# Altium PCB 1SL1 Xilinx Spartan-11E PQ208.PcbDoc (part 3 of 4)
Units mil, origin at the board's own origin, x right, y up, seen from the top; angles counter-clockwise.
Board outline 7086.61 x 1988.19 mil, 2 copper layers (Top Layer, Bottom Layer), stack 29.698 mil thick; 115 components, 126 nets, 642 pads, 225 vias.
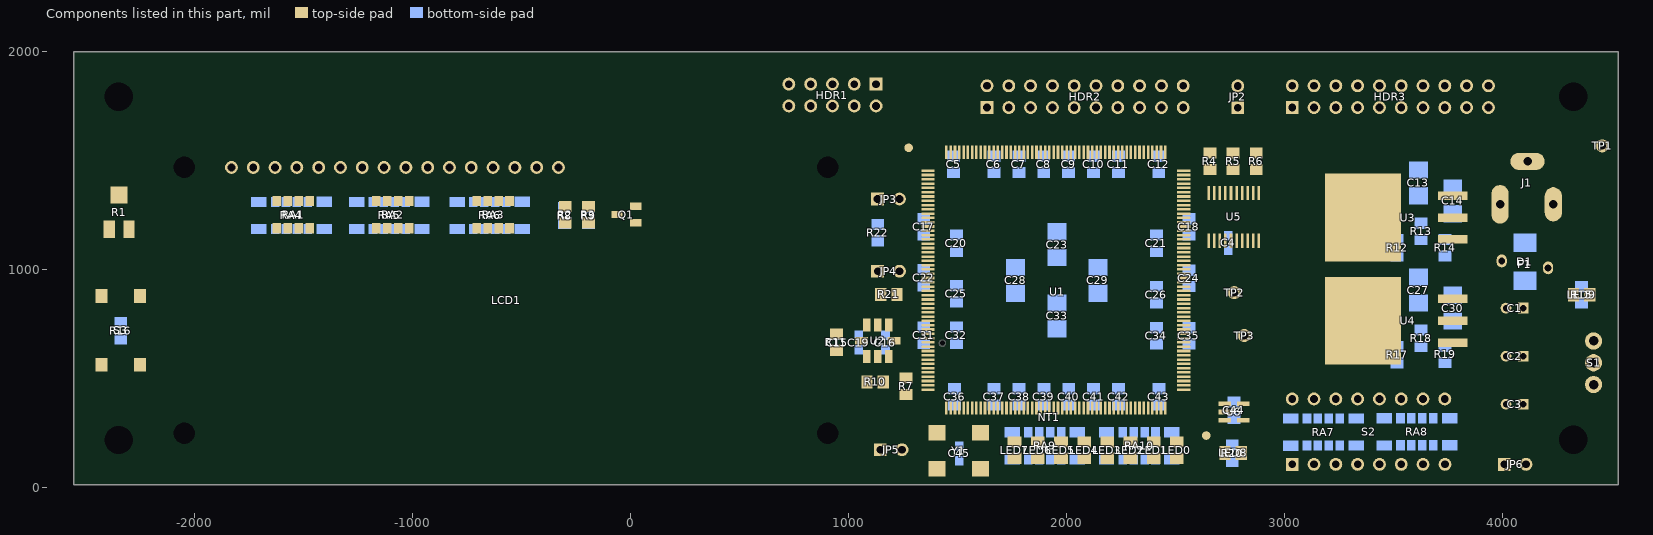
[diagram p3: the components of this part, seen from the top]

## Silkscreen, mask and mechanical layers (free items; w line width, h text height) (continued)
19_FABRICATION_NOTES:
  text "N" at 5200,3559.57 h164.64
  text "O" at 5291.94,3559.57 h164.64
  text "T" at 5383.87,3559.57 h164.64
  text "E" at 5454.59,3559.57 h164.64
  text "S" at 5525.31,3559.57 h164.64
  text "U" at 5624.32,3559.57 h164.64
  text "N" at 5716.26,3559.57 h164.64
  text "L" at 5808.19,3559.57 h164.64
  text "E" at 5864.77,3559.57 h164.64
  text "S" at 5935.49,3559.57 h164.64
  text "S" at 5999.14,3559.57 h164.64
  text "O" at 6098.15,3559.57 h164.64
  text "T" at 6190.08,3559.57 h164.64
  text "H" at 6260.8,3559.57 h164.64
  text "E" at 6345.67,3559.57 h164.64
  text "R" at 6416.39,3559.57 h164.64
  text "W" at 6494.18,3559.57 h164.64
  text "I" at 6621.48,3559.57 h164.64
  text "S" at 6656.84,3559.57 h164.64
  text "E" at 6720.49,3559.57 h164.64
  text "S" at 6826.57,3559.57 h164.64
  text "P" at 6890.22,3559.57 h164.64
  text "E" at 6960.94,3559.57 h164.64
  text "C" at 7031.66,3559.57 h164.64
  text "I" at 7109.45,3559.57 h164.64
  text "F" at 7144.81,3559.57 h164.64
  text "I" at 7208.46,3559.57 h164.64
  text "E" at 7243.82,3559.57 h164.64
  text "D" at 7314.54,3559.57 h164.64
  text ":" at 7399.4,3559.57 h164.64
  text "1" at 5270.54,3368.63 h164.64
  text "A" at 5460.99,3354.49 h164.64
  text "L" at 5545.86,3354.49 h164.64
  text "L" at 5602.43,3354.49 h164.64
  text "H" at 5694.37,3354.49 h164.64
  text "O" at 5779.23,3354.49 h164.64
  text "L" at 5871.17,3354.49 h164.64
  text "E" at 5927.75,3354.49 h164.64
  text "S" at 5998.47,3354.49 h164.64
  text "F" at 6097.47,3354.49 h164.64
  text "I" at 6161.12,3354.49 h164.64
  text "N" at 6196.48,3354.49 h164.64
  text "I" at 6288.42,3354.49 h164.64
  text "S" at 6323.78,3354.49 h164.64
  text "H" at 6387.43,3354.49 h164.64
  text "E" at 6472.29,3354.49 h164.64
  text "D" at 6543.01,3354.49 h164.64
  text "S" at 6663.24,3354.49 h164.64
  text "I" at 6726.88,3354.49 h164.64
  text "Z" at 6762.24,3354.49 h164.64
  text "E" at 6825.89,3354.49 h164.64
  text "A" at 6931.97,3354.49 h164.64
  text "S" at 7016.84,3354.49 h164.64
  text "S" at 7115.85,3354.49 h164.64
  text "H" at 7179.49,3354.49 h164.64
  text "O" at 7264.36,3354.49 h164.64
  text "W" at 7356.3,3354.49 h164.64
  text "N" at 7483.59,3354.49 h164.64
  text "." at 7575.53,3354.49 h164.64
  text "M" at 5460.99,3163.54 h164.64
  text "A" at 5581.22,3163.54 h164.64
  text "T" at 5666.08,3163.54 h164.64
  text "E" at 5736.8,3163.54 h164.64
  text "R" at 5807.52,3163.54 h164.64
  text "I" at 5885.31,3163.54 h164.64
  text "A" at 5920.67,3163.54 h164.64
  text "L" at 6005.54,3163.54 h164.64
  text ":" at 6062.11,3163.54 h164.64
  text "0" at 6132.83,3163.54 h164.64
  text "." at 6203.55,3163.54 h164.64
  text "0" at 6238.91,3163.54 h164.64
  text "6" at 6309.63,3163.54 h164.64
  text "2" at 6380.36,3163.54 h164.64
  text "I" at 6486.44,3163.54 h164.64
  text "N" at 6521.8,3163.54 h164.64
  text "F" at 6649.09,3163.54 h164.64
  text "I" at 6712.74,3163.54 h164.64
  text "B" at 6748.1,3163.54 h164.64
  text "E" at 6825.89,3163.54 h164.64
  text "R" at 6896.61,3163.54 h164.64
  text "G" at 6974.41,3163.54 h164.64
  text "L" at 7066.34,3163.54 h164.64
  text "A" at 7122.92,3163.54 h164.64
  text "S" at 7207.78,3163.54 h164.64
  text "S" at 7271.43,3163.54 h164.64
  text "R" at 7370.44,3163.54 h164.64
  text "E" at 7448.23,3163.54 h164.64
  text "I" at 7518.95,3163.54 h164.64
  text "N" at 7554.31,3163.54 h164.64
  text "F" at 7646.25,3163.54 h164.64
  text "O" at 7709.9,3163.54 h164.64
  text "R" at 7801.83,3163.54 h164.64
  text "C" at 7879.63,3163.54 h164.64
  text "E" at 7957.42,3163.54 h164.64
  text "D" at 8028.14,3163.54 h164.64
  text "E" at 8148.36,3163.54 h164.64
  text "P" at 8219.08,3163.54 h164.64
  text "O" at 8289.8,3163.54 h164.64
  text "X" at 8381.74,3163.54 h164.64
  text "Y" at 8452.46,3163.54 h164.64
  text "," at 8523.18,3163.54 h164.64
  text "2" at 5270.54,3156.47 h164.64
  text "N" at 5460.99,2979.67 h164.64
  text "E" at 5552.93,2979.67 h164.64
  text "M" at 5623.65,2979.67 h164.64
  text "A" at 5743.87,2979.67 h164.64
  text "G" at 5864.1,2979.67 h164.64
  text "R" at 5956.03,2979.67 h164.64
  text "A" at 6033.83,2979.67 h164.64
  text "D" at 6118.69,2979.67 h164.64
  text "E" at 6203.55,2979.67 h164.64
  text "F" at 6309.63,2979.67 h164.64
  text "R" at 6373.28,2979.67 h164.64
  text "-" at 6451.08,2979.67 h164.64
  text "4" at 6493.51,2979.67 h164.64
  text "," at 6564.23,2979.67 h164.64
  text "N" at 6634.95,2979.67 h164.64
  text "A" at 6726.88,2979.67 h164.64
  text "T" at 6811.75,2979.67 h164.64
  text "U" at 6882.47,2979.67 h164.64
  text "R" at 6974.41,2979.67 h164.64
  text "A" at 7052.2,2979.67 h164.64
  text "L" at 7137.06,2979.67 h164.64
  text "C" at 7229,2979.67 h164.64
  text "O" at 7306.79,2979.67 h164.64
  text "L" at 7398.73,2979.67 h164.64
  text "O" at 7455.3,2979.67 h164.64
  text "R" at 7547.24,2979.67 h164.64
  text "W" at 7660.39,2979.67 h164.64
  text "I" at 7787.69,2979.67 h164.64
  text "T" at 7823.05,2979.67 h164.64
  text "H" at 7893.77,2979.67 h164.64
  text "O" at 7978.63,2979.67 h164.64
  text "U" at 8070.57,2979.67 h164.64
  text "T" at 8162.51,2979.67 h164.64
  text "O" at 8268.59,2979.67 h164.64
  text "P" at 8360.52,2979.67 h164.64
  text "A" at 8431.24,2979.67 h164.64
  text "Q" at 8516.11,2979.67 h164.64
  text "U" at 8608.05,2979.67 h164.64
  text "E" at 8699.98,2979.67 h164.64
  text "R" at 8770.7,2979.67 h164.64
  text ";" at 8848.49,2979.67 h164.64
  text "1" at 5460.99,2795.79 h164.64
  text "O" at 5567.07,2795.79 h164.64
  text "Z" at 5659.01,2795.79 h164.64
  text "C" at 5758.02,2795.79 h164.64
  text "O" at 5835.81,2795.79 h164.64
  text "P" at 5927.75,2795.79 h164.64
  text "P" at 5998.47,2795.79 h164.64
  text "E" at 6069.19,2795.79 h164.64
  text "R" at 6139.91,2795.79 h164.64
  text "C" at 6253.06,2795.79 h164.64
  text "L" at 6330.85,2795.79 h164.64
  text "A" at 6387.43,2795.79 h164.64
  text "D" at 6472.29,2795.79 h164.64
  text "O" at 6592.52,2795.79 h164.64
  text "U" at 6684.45,2795.79 h164.64
  text "T" at 6776.39,2795.79 h164.64
  text "E" at 6847.11,2795.79 h164.64
  text "R" at 6917.83,2795.79 h164.64
  text "L" at 7030.98,2795.79 h164.64
  text "A" at 7087.56,2795.79 h164.64
  text "Y" at 7172.42,2795.79 h164.64
  text "E" at 7243.14,2795.79 h164.64
  text "R" at 7313.86,2795.79 h164.64
  text "S" at 7391.66,2795.79 h164.64
  text "." at 7455.3,2795.79 h164.64
  text "T" at 7526.02,2795.79 h164.64
  text "H" at 7596.74,2795.79 h164.64
  text "E" at 7681.61,2795.79 h164.64
  text "P" at 7787.69,2795.79 h164.64
  text "R" at 7858.41,2795.79 h164.64
  text "I" at 7936.2,2795.79 h164.64
  text "N" at 7971.56,2795.79 h164.64
  text "T" at 8063.5,2795.79 h164.64
  text "E" at 8134.22,2795.79 h164.64
  text "D" at 8204.94,2795.79 h164.64
  text "W" at 8325.16,2795.79 h164.64
  text "I" at 8452.46,2795.79 h164.64
  text "R" at 8487.82,2795.79 h164.64
  text "I" at 8565.61,2795.79 h164.64
  text "N" at 8600.97,2795.79 h164.64
  text "G" at 8692.91,2795.79 h164.64
  text "B" at 5460.99,2611.92 h164.64
  text "O" at 5538.78,2611.92 h164.64
  text "A" at 5630.72,2611.92 h164.64
  text "R" at 5715.58,2611.92 h164.64
  text "D" at 5793.38,2611.92 h164.64
  text "M" at 5913.6,2611.92 h164.64
  text "A" at 6033.83,2611.92 h164.64
  text "T" at 6118.69,2611.92 h164.64
  text "E" at 6189.41,2611.92 h164.64
  text "R" at 6260.13,2611.92 h164.64
  text "I" at 6337.92,2611.92 h164.64
  text "A" at 6373.28,2611.92 h164.64
  text "L" at 6458.15,2611.92 h164.64
  text "M" at 6550.08,2611.92 h164.64
  text "U" at 6670.31,2611.92 h164.64
  text "S" at 6762.24,2611.92 h164.64
  text "T" at 6825.89,2611.92 h164.64
  text "H" at 6931.97,2611.92 h164.64
  text "A" at 7016.84,2611.92 h164.64
  text "V" at 7101.7,2611.92 h164.64
  text "E" at 7179.49,2611.92 h164.64
  text "A" at 7285.58,2611.92 h164.64
  text "C" at 7405.8,2611.92 h164.64
  text "P" at 7483.59,2611.92 h164.64
  text "M" at 7554.31,2611.92 h164.64
  text "P" at 7674.54,2611.92 h164.64
  text "A" at 7745.26,2611.92 h164.64
  text "R" at 7830.12,2611.92 h164.64
  text "A" at 7907.91,2611.92 h164.64
  text "T" at 7992.78,2611.92 h164.64
  text "I" at 8063.5,2611.92 h164.64
  text "V" at 8098.86,2611.92 h164.64
  text "E" at 8176.65,2611.92 h164.64
  text "T" at 8282.73,2611.92 h164.64
  text "R" at 8353.45,2611.92 h164.64
  text "A" at 8431.24,2611.92 h164.64
  text "C" at 8516.11,2611.92 h164.64
  text "K" at 8593.9,2611.92 h164.64
  text "I" at 8664.62,2611.92 h164.64
  text "N" at 8699.98,2611.92 h164.64
  text "G" at 8791.92,2611.92 h164.64
  text "I" at 5460.99,2428.05 h164.64
  text "N" at 5496.35,2428.05 h164.64
  text "D" at 5588.29,2428.05 h164.64
  text "E" at 5673.15,2428.05 h164.64
  text "X" at 5743.87,2428.05 h164.64
  text "(" at 5849.95,2428.05 h164.64
  text "C" at 5892.38,2428.05 h164.64
  text "T" at 5970.18,2428.05 h164.64
  text "I" at 6040.9,2428.05 h164.64
  text ")" at 6076.26,2428.05 h164.64
  text "O" at 6154.05,2428.05 h164.64
  text "F" at 6245.99,2428.05 h164.64
  text "A" at 6344.99,2428.05 h164.64
  text "T" at 6429.86,2428.05 h164.64
  text "L" at 6535.94,2428.05 h164.64
  text "E" at 6592.52,2428.05 h164.64
  text "A" at 6663.24,2428.05 h164.64
  text "S" at 6748.1,2428.05 h164.64
  text "T" at 6811.75,2428.05 h164.64
  text "1" at 6917.83,2428.05 h164.64
  text "7" at 6988.55,2428.05 h164.64
  text "5" at 7059.27,2428.05 h164.64
  text "A" at 7165.35,2428.05 h164.64
  text "N" at 7250.22,2428.05 h164.64
  text "D" at 7342.15,2428.05 h164.64
  text "A" at 7462.38,2428.05 h164.64
  text "U" at 7582.6,2428.05 h164.64
  text "L" at 7674.54,2428.05 h164.64
  text "9" at 7766.47,2428.05 h164.64
  text "4" at 7837.19,2428.05 h164.64
  text "V" at 7907.91,2428.05 h164.64
  text "0" at 7985.71,2428.05 h164.64
  text "F" at 5460.99,2244.18 h164.64
  text "L" at 5524.64,2244.18 h164.64
  text "A" at 5581.22,2244.18 h164.64
  text "M" at 5666.08,2244.18 h164.64
  text "M" at 5786.3,2244.18 h164.64
  text "A" at 5906.53,2244.18 h164.64
  text "B" at 5991.39,2244.18 h164.64
  text "I" at 6069.19,2244.18 h164.64
  text "L" at 6104.55,2244.18 h164.64
  text "I" at 6161.12,2244.18 h164.64
  text "T" at 6196.48,2244.18 h164.64
  text "Y" at 6267.2,2244.18 h164.64
  text "R" at 6373.28,2244.18 h164.64
  text "A" at 6451.08,2244.18 h164.64
  text "T" at 6535.94,2244.18 h164.64
  text "I" at 6606.66,2244.18 h164.64
  text "N" at 6642.02,2244.18 h164.64
  text "G" at 6733.96,2244.18 h164.64
  text "." at 6825.89,2244.18 h164.64
  text "3" at 5270.54,2046.16 h164.64
  text "F" at 5460.99,2032.02 h164.64
  text "I" at 5524.64,2032.02 h164.64
  text "N" at 5560,2032.02 h164.64
  text "I" at 5651.94,2032.02 h164.64
  text "S" at 5687.3,2032.02 h164.64
  text "H" at 5750.94,2032.02 h164.64
  text ":" at 5835.81,2032.02 h164.64
  text "E" at 5906.53,2032.02 h164.64
  text "N" at 5977.25,2032.02 h164.64
  text "I" at 6069.19,2032.02 h164.64
  text "G" at 6104.55,2032.02 h164.64
  text "P" at 6231.84,2032.02 h164.64
  text "E" at 6302.56,2032.02 h164.64
  text "R" at 6373.28,2032.02 h164.64
  text "I" at 6486.44,2032.02 h164.64
  text "P" at 6521.8,2032.02 h164.64
  text "C" at 6592.52,2032.02 h164.64
  text "-" at 6670.31,2032.02 h164.64
  text "4" at 6712.74,2032.02 h164.64
  text "5" at 6783.46,2032.02 h164.64
  text "5" at 6854.18,2032.02 h164.64
  text "2" at 6924.9,2032.02 h164.64
  text "." at 6995.62,2032.02 h164.64
  text "A" at 5460.99,1841.07 h164.64
  text "P" at 5545.86,1841.07 h164.64
  text "P" at 5616.58,1841.07 h164.64
  text "L" at 5687.3,1841.07 h164.64
  text "Y" at 5743.87,1841.07 h164.64
  text "G" at 5849.95,1841.07 h164.64
  text "R" at 5941.89,1841.07 h164.64
  text "E" at 6019.68,1841.07 h164.64
  text "E" at 6090.4,1841.07 h164.64
  text "N" at 6161.12,1841.07 h164.64
  text "S" at 6288.42,1841.07 h164.64
  text "O" at 6352.07,1841.07 h164.64
  text "L" at 6444,1841.07 h164.64
  text "D" at 6500.58,1841.07 h164.64
  text "E" at 6585.44,1841.07 h164.64
  text "R" at 6656.16,1841.07 h164.64
  text "M" at 6769.32,1841.07 h164.64
  text "A" at 6889.54,1841.07 h164.64
  text "S" at 6974.41,1841.07 h164.64
  text "K" at 7038.05,1841.07 h164.64
  text "O" at 7144.13,1841.07 h164.64
  text "V" at 7236.07,1841.07 h164.64
  text "E" at 7313.86,1841.07 h164.64
  text "R" at 7384.58,1841.07 h164.64
  text "B" at 7497.74,1841.07 h164.64
  text "A" at 7575.53,1841.07 h164.64
  text "R" at 7660.39,1841.07 h164.64
  text "E" at 7738.19,1841.07 h164.64
  text "C" at 7844.27,1841.07 h164.64
  text "O" at 7922.06,1841.07 h164.64
  text "P" at 8013.99,1841.07 h164.64
  text "P" at 8084.71,1841.07 h164.64
  text "E" at 8155.44,1841.07 h164.64
  text "R" at 8226.16,1841.07 h164.64
  text "(" at 8339.31,1841.07 h164.64
  text "B" at 8381.74,1841.07 h164.64
  text "O" at 8459.53,1841.07 h164.64
  text "T" at 8551.47,1841.07 h164.64
  text "H" at 8622.19,1841.07 h164.64
  text "4" at 5270.54,1834 h164.64
  text "S" at 5460.99,1657.2 h164.64
  text "I" at 5524.64,1657.2 h164.64
  text "D" at 5560,1657.2 h164.64
  text "E" at 5644.86,1657.2 h164.64
  text "S" at 5715.58,1657.2 h164.64
  text ")" at 5779.23,1657.2 h164.64
  text "." at 5821.66,1657.2 h164.64
  text "T" at 5460.99,1466.25 h164.64
  text "O" at 5531.71,1466.25 h164.64
  text "B" at 5659.01,1466.25 h164.64
  text "E" at 5736.8,1466.25 h164.64
  text "S" at 5842.88,1466.25 h164.64
  text "I" at 5906.53,1466.25 h164.64
  text "L" at 5941.89,1466.25 h164.64
  text "K" at 5998.47,1466.25 h164.64
  text "S" at 6069.19,1466.25 h164.64
  text "C" at 6132.83,1466.25 h164.64
  text "R" at 6210.63,1466.25 h164.64
  text "E" at 6288.42,1466.25 h164.64
  text "E" at 6359.14,1466.25 h164.64
  text "N" at 6429.86,1466.25 h164.64
  text "E" at 6521.8,1466.25 h164.64
  text "D" at 6592.52,1466.25 h164.64
  text "W" at 6712.74,1466.25 h164.64
  text "H" at 6840.04,1466.25 h164.64
  text "I" at 6924.9,1466.25 h164.64
  text "T" at 6960.26,1466.25 h164.64
  text "E" at 7030.98,1466.25 h164.64
  text "O" at 7137.06,1466.25 h164.64
  text "N" at 7229,1466.25 h164.64
  text "(" at 7356.3,1466.25 h164.64
  text "B" at 7398.73,1466.25 h164.64
  text "O" at 7476.52,1466.25 h164.64
  text "T" at 7568.46,1466.25 h164.64
  text "H" at 7639.18,1466.25 h164.64
  text "S" at 7759.4,1466.25 h164.64
  text "I" at 7823.05,1466.25 h164.64
  text "D" at 7858.41,1466.25 h164.64
  text "E" at 7943.27,1466.25 h164.64
  text "S" at 8013.99,1466.25 h164.64
  text ")" at 8077.64,1466.25 h164.64
  text "P" at 8155.44,1466.25 h164.64
  text "E" at 8226.16,1466.25 h164.64
  text "R" at 8296.88,1466.25 h164.64
  text "5" at 5270.54,1459.18 h164.64
  text "\"" at 5460.99,1282.38 h164.64
  text "S" at 5517.57,1282.38 h164.64
  text "I" at 5581.22,1282.38 h164.64
  text "L" at 5616.58,1282.38 h164.64
  text "K" at 5673.15,1282.38 h164.64
  text "S" at 5743.87,1282.38 h164.64
  text "C" at 5807.52,1282.38 h164.64
  text "R" at 5885.31,1282.38 h164.64
  text "E" at 5963.11,1282.38 h164.64
  text "E" at 6033.83,1282.38 h164.64
  text "N" at 6104.55,1282.38 h164.64
  text "\"" at 6196.48,1282.38 h164.64
  text "A" at 6288.42,1282.38 h164.64
  text "R" at 6373.28,1282.38 h164.64
  text "T" at 6451.08,1282.38 h164.64
  text "W" at 6521.8,1282.38 h164.64
  text "O" at 6649.09,1282.38 h164.64
  text "R" at 6741.03,1282.38 h164.64
  text "K" at 6818.82,1282.38 h164.64
  text "." at 6889.54,1282.38 h164.64
  text "6" at 5270.54,1084.36 h164.64
  text "P" at 5460.99,1084.36 h164.64
  text "R" at 5531.71,1084.36 h164.64
  text "I" at 5609.5,1084.36 h164.64
  text "N" at 5644.86,1084.36 h164.64
  text "T" at 5736.8,1084.36 h164.64
  text "E" at 5807.52,1084.36 h164.64
  text "D" at 5878.24,1084.36 h164.64
  text "W" at 5998.47,1084.36 h164.64
  text "I" at 6125.76,1084.36 h164.64
  text "R" at 6161.12,1084.36 h164.64
  text "I" at 6238.91,1084.36 h164.64
  text "N" at 6274.27,1084.36 h164.64
  text "G" at 6366.21,1084.36 h164.64
  text "B" at 6493.51,1084.36 h164.64
  text "O" at 6571.3,1084.36 h164.64
  text "A" at 6663.24,1084.36 h164.64
  text "R" at 6748.1,1084.36 h164.64
  text "D" at 6825.89,1084.36 h164.64
  text "T" at 6946.12,1084.36 h164.64
  text "O" at 7016.84,1084.36 h164.64
  text "B" at 7144.13,1084.36 h164.64
  text "E" at 7221.93,1084.36 h164.64
  text "E" at 7328.01,1084.36 h164.64
  text "L" at 7398.73,1084.36 h164.64
  text "E" at 7455.3,1084.36 h164.64
  text "C" at 7526.02,1084.36 h164.64
  text "T" at 7603.82,1084.36 h164.64
  text "R" at 7674.54,1084.36 h164.64
  text "I" at 7752.33,1084.36 h164.64
  text "C" at 7787.69,1084.36 h164.64
  text "A" at 7865.48,1084.36 h164.64
  text "L" at 7950.35,1084.36 h164.64
  text "L" at 8006.92,1084.36 h164.64
  text "Y" at 8063.5,1084.36 h164.64
  text "T" at 8169.58,1084.36 h164.64
  text "E" at 8240.3,1084.36 h164.64
  text "S" at 8311.02,1084.36 h164.64
  text "T" at 8374.67,1084.36 h164.64
  text "E" at 8445.39,1084.36 h164.64
  text "D" at 8516.11,1084.36 h164.64
  text "B" at 8636.33,1084.36 h164.64
  text "Y" at 8714.13,1084.36 h164.64
  text "F" at 5460.99,900.49 h164.64
  text "A" at 5524.64,900.49 h164.64
  text "B" at 5609.5,900.49 h164.64
  text "R" at 5687.3,900.49 h164.64
  text "I" at 5765.09,900.49 h164.64
  text "C" at 5800.45,900.49 h164.64
  text "A" at 5878.24,900.49 h164.64
  text "T" at 5963.11,900.49 h164.64
  text "O" at 6033.83,900.49 h164.64
  text "R" at 6125.76,900.49 h164.64
  text "F" at 6238.91,900.49 h164.64
  text "O" at 6302.56,900.49 h164.64
  text "R" at 6394.5,900.49 h164.64
  text "T" at 6507.65,900.49 h164.64
  text "R" at 6578.37,900.49 h164.64
  text "A" at 6656.16,900.49 h164.64
  text "C" at 6741.03,900.49 h164.64
  text "E" at 6818.82,900.49 h164.64
  text "C" at 6924.9,900.49 h164.64
  text "O" at 7002.69,900.49 h164.64
  text "N" at 7094.63,900.49 h164.64
  text "T" at 7186.57,900.49 h164.64
  text "I" at 7257.29,900.49 h164.64
  text "N" at 7292.65,900.49 h164.64
  text "U" at 7384.58,900.49 h164.64
  text "I" at 7476.52,900.49 h164.64
  text "T" at 7511.88,900.49 h164.64
  text "Y" at 7582.6,900.49 h164.64
  text "A" at 7688.68,900.49 h164.64
  text "N" at 7773.55,900.49 h164.64
  text "D" at 7865.48,900.49 h164.64
  text "P" at 7985.71,900.49 h164.64
  text "R" at 8056.43,900.49 h164.64
  text "O" at 8134.22,900.49 h164.64
  text "O" at 8226.16,900.49 h164.64
  text "F" at 8318.09,900.49 h164.64
  text "A" at 5460.99,716.62 h164.64
  text "G" at 5545.86,716.62 h164.64
  text "A" at 5637.79,716.62 h164.64
  text "I" at 5722.66,716.62 h164.64
  text "N" at 5758.02,716.62 h164.64
  text "S" at 5849.95,716.62 h164.64
  text "T" at 5913.6,716.62 h164.64
  text "T" at 6019.68,716.62 h164.64
  text "R" at 6090.4,716.62 h164.64
  text "A" at 6168.19,716.62 h164.64
  text "C" at 6253.06,716.62 h164.64
  text "E" at 6330.85,716.62 h164.64
  text "S" at 6436.93,716.62 h164.64
  text "H" at 6500.58,716.62 h164.64
  text "O" at 6585.44,716.62 h164.64
  text "R" at 6677.38,716.62 h164.64
  text "T" at 6755.17,716.62 h164.64
  text "S" at 6825.89,716.62 h164.64
  text "." at 6889.54,716.62 h164.64
  text "7" at 5270.54,532.74 h164.64
  text "A" at 5460.99,518.6 h164.64
  text "L" at 5545.86,518.6 h164.64
  text "L" at 5602.43,518.6 h164.64
  text "R" at 5694.37,518.6 h164.64
  text "A" at 5772.16,518.6 h164.64
  text "D" at 5857.02,518.6 h164.64
  text "I" at 5941.89,518.6 h164.64
  text "U" at 5977.25,518.6 h164.64
  text "S" at 6069.19,518.6 h164.64
  text "0" at 6168.19,518.6 h164.64
  text "." at 6238.91,518.6 h164.64
  text "0" at 6274.27,518.6 h164.64
  text "4" at 6344.99,518.6 h164.64
  text "7" at 6415.72,518.6 h164.64
  text "U" at 6521.8,518.6 h164.64
  text "N" at 6613.73,518.6 h164.64
  text "L" at 6705.67,518.6 h164.64
  text "E" at 6762.24,518.6 h164.64
  text "S" at 6832.97,518.6 h164.64
  text "S" at 6896.61,518.6 h164.64
  text "O" at 6995.62,518.6 h164.64
  text "T" at 7087.56,518.6 h164.64
  text "H" at 7158.28,518.6 h164.64
  text "E" at 7243.14,518.6 h164.64
  text "R" at 7313.86,518.6 h164.64
  text "W" at 7391.66,518.6 h164.64
  text "I" at 7518.95,518.6 h164.64
  text "S" at 7554.31,518.6 h164.64
  text "E" at 7617.96,518.6 h164.64
  text "N" at 7724.04,518.6 h164.64
  text "O" at 7815.98,518.6 h164.64
  text "T" at 7907.91,518.6 h164.64
  text "E" at 7978.63,518.6 h164.64
  text "D" at 8049.35,518.6 h164.64
  text "." at 8134.22,518.6 h164.64
  text "F" at 5460.99,327.66 h164.64
  text "A" at 5524.64,327.66 h164.64
  text "B" at 5609.5,327.66 h164.64
  text "R" at 5687.3,327.66 h164.64
  text "I" at 5765.09,327.66 h164.64
  text "C" at 5800.45,327.66 h164.64
  text "A" at 5878.24,327.66 h164.64
  text "T" at 5963.11,327.66 h164.64
  text "O" at 6033.83,327.66 h164.64
  text "R" at 6125.76,327.66 h164.64
  text "S" at 6238.91,327.66 h164.64
  text "H" at 6302.56,327.66 h164.64
  text "A" at 6387.43,327.66 h164.64
  text "L" at 6472.29,327.66 h164.64
  text "L" at 6528.87,327.66 h164.64
  text "A" at 6620.8,327.66 h164.64
  text "P" at 6705.67,327.66 h164.64
  text "P" at 6776.39,327.66 h164.64
  text "L" at 6847.11,327.66 h164.64
  text "Y" at 6903.69,327.66 h164.64
  text "D" at 7009.77,327.66 h164.64
  text "A" at 7094.63,327.66 h164.64
  text "T" at 7179.49,327.66 h164.64
  text "E" at 7250.22,327.66 h164.64
  text "C" at 7356.3,327.66 h164.64
  text "O" at 7434.09,327.66 h164.64
  text "D" at 7526.02,327.66 h164.64
  text "E" at 7610.89,327.66 h164.64
  text "," at 7681.61,327.66 h164.64
  text "F" at 7752.33,327.66 h164.64
  text "A" at 7815.98,327.66 h164.64
  text "B" at 7900.84,327.66 h164.64
  text "R" at 7978.63,327.66 h164.64
  text "I" at 8056.43,327.66 h164.64
  text "C" at 8091.79,327.66 h164.64
  text "A" at 8169.58,327.66 h164.64
  text "T" at 8254.44,327.66 h164.64
  text "O" at 8325.16,327.66 h164.64
  text "R" at 8417.1,327.66 h164.64
  text "'" at 8494.89,327.66 h164.64
  text "S" at 8523.18,327.66 h164.64
  text "8" at 5270.54,320.58 h164.64
  text "C" at 5460.99,143.78 h164.64
  text "A" at 5538.78,143.78 h164.64
  text "N" at 5623.65,143.78 h164.64
  text "G" at 5715.58,143.78 h164.64
  text "C" at 5842.88,143.78 h164.64
  text "O" at 5920.67,143.78 h164.64
  text "D" at 6012.61,143.78 h164.64
  text "E" at 6097.47,143.78 h164.64
  text "A" at 6203.55,143.78 h164.64
  text "N" at 6288.42,143.78 h164.64
  text "D" at 6380.36,143.78 h164.64
  text "U" at 6500.58,143.78 h164.64
  text "L" at 6592.52,143.78 h164.64
  text "M" at 6684.45,143.78 h164.64
  text "A" at 6804.68,143.78 h164.64
  text "R" at 6889.54,143.78 h164.64
  text "K" at 6967.33,143.78 h164.64
  text "I" at 7038.05,143.78 h164.64
  text "N" at 7073.41,143.78 h164.64
  text "G" at 7165.35,143.78 h164.64
  text "T" at 7292.65,143.78 h164.64
  text "O" at 7363.37,143.78 h164.64
  text "S" at 7490.66,143.78 h164.64
  text "E" at 7554.31,143.78 h164.64
  text "C" at 7625.03,143.78 h164.64
  text "O" at 7702.83,143.78 h164.64
  text "N" at 7794.76,143.78 h164.64
  text "D" at 7886.7,143.78 h164.64
  text "A" at 7971.56,143.78 h164.64
  text "R" at 8056.43,143.78 h164.64
  text "Y" at 8134.22,143.78 h164.64
  text "S" at 8240.3,143.78 h164.64
  text "I" at 8303.95,143.78 h164.64
  text "D" at 8339.31,143.78 h164.64
  text "E" at 8424.17,143.78 h164.64
  text "W" at 5460.99,-40.09 h164.64
  text "H" at 5588.29,-40.09 h164.64
  text "E" at 5673.15,-40.09 h164.64
  text "R" at 5743.87,-40.09 h164.64
  text "E" at 5821.66,-40.09 h164.64
  text "I" at 5927.75,-40.09 h164.64
  text "N" at 5963.11,-40.09 h164.64
  text "D" at 6055.04,-40.09 h164.64
  text "I" at 6139.91,-40.09 h164.64
  text "C" at 6175.27,-40.09 h164.64
  text "A" at 6253.06,-40.09 h164.64
  text "T" at 6337.92,-40.09 h164.64
  text "E" at 6408.64,-40.09 h164.64
  text "D" at 6479.36,-40.09 h164.64
  text "." at 6564.23,-40.09 h164.64
  text "M" at 6634.95,-40.09 h164.64
  text "A" at 6755.17,-40.09 h164.64
  text "R" at 6840.04,-40.09 h164.64
  text "K" at 6917.83,-40.09 h164.64
  text "I" at 6988.55,-40.09 h164.64
  text "N" at 7023.91,-40.09 h164.64
  text "G" at 7115.85,-40.09 h164.64
  text "T" at 7243.14,-40.09 h164.64
  text "O" at 7313.86,-40.09 h164.64
  text "B" at 7441.16,-40.09 h164.64
  text "E" at 7518.95,-40.09 h164.64
  text "C" at 7625.03,-40.09 h164.64
  text "O" at 7702.83,-40.09 h164.64
  text "P" at 7794.76,-40.09 h164.64
  text "P" at 7865.48,-40.09 h164.64
  text "E" at 7936.2,-40.09 h164.64
  text "R" at 8006.92,-40.09 h164.64
  text "E" at 8120.08,-40.09 h164.64
  text "T" at 8190.8,-40.09 h164.64
  text "C" at 8261.52,-40.09 h164.64
  text "H" at 8339.31,-40.09 h164.64
  text "E" at 8424.17,-40.09 h164.64
  text "D" at 8494.89,-40.09 h164.64
  text "." at 8579.76,-40.09 h164.64
  text "F" at 5460.99,-231.04 h164.64
  text "A" at 5524.64,-231.04 h164.64
  text "B" at 5609.5,-231.04 h164.64
  text "R" at 5687.3,-231.04 h164.64
  text "I" at 5765.09,-231.04 h164.64
  text "C" at 5800.45,-231.04 h164.64
  text "A" at 5878.24,-231.04 h164.64
  text "T" at 5963.11,-231.04 h164.64
  text "O" at 6033.83,-231.04 h164.64
  text "R" at 6125.76,-231.04 h164.64
  text "S" at 6238.91,-231.04 h164.64
  text "H" at 6302.56,-231.04 h164.64
  text "A" at 6387.43,-231.04 h164.64
  text "L" at 6472.29,-231.04 h164.64
  text "L" at 6528.87,-231.04 h164.64
  text "A" at 6620.8,-231.04 h164.64
  text "P" at 6705.67,-231.04 h164.64
  text "P" at 6776.39,-231.04 h164.64
  text "L" at 6847.11,-231.04 h164.64
  text "Y" at 6903.69,-231.04 h164.64
  text "C" at 7009.77,-231.04 h164.64
  text "O" at 7087.56,-231.04 h164.64
  text "U" at 7179.49,-231.04 h164.64
  text "N" at 7271.43,-231.04 h164.64
  text "T" at 7363.37,-231.04 h164.64
  text "R" at 7434.09,-231.04 h164.64
  text "Y" at 7511.88,-231.04 h164.64
  text "O" at 7617.96,-231.04 h164.64
  text "F" at 7709.9,-231.04 h164.64
  text "O" at 7808.91,-231.04 h164.64
  text "R" at 7900.84,-231.04 h164.64
  text "I" at 7978.63,-231.04 h164.64
  text "G" at 8013.99,-231.04 h164.64
  text "I" at 8105.93,-231.04 h164.64
  text "N" at 8141.29,-231.04 h164.64
  text "M" at 8268.59,-231.04 h164.64
  text "A" at 8388.81,-231.04 h164.64
  text "R" at 8473.68,-231.04 h164.64
  text "K" at 8551.47,-231.04 h164.64
  text "I" at 8622.19,-231.04 h164.64
  text "N" at 8657.55,-231.04 h164.64
  text "G" at 8749.49,-231.04 h164.64
  text "9" at 5270.54,-238.11 h164.64
  text "T" at 5460.99,-414.91 h164.64
  text "O" at 5531.71,-414.91 h164.64
  text "P" at 5659.01,-414.91 h164.64
  text "R" at 5729.73,-414.91 h164.64
  text "I" at 5807.52,-414.91 h164.64
  text "M" at 5842.88,-414.91 h164.64
  text "A" at 5963.11,-414.91 h164.64
  text "R" at 6047.97,-414.91 h164.64
  text "Y" at 6125.76,-414.91 h164.64
  text "A" at 6231.84,-414.91 h164.64
  text "N" at 6316.71,-414.91 h164.64
  text "D" at 6408.64,-414.91 h164.64
  text "S" at 6528.87,-414.91 h164.64
  text "E" at 6592.52,-414.91 h164.64
  text "C" at 6663.24,-414.91 h164.64
  text "O" at 6741.03,-414.91 h164.64
  text "N" at 6832.97,-414.91 h164.64
  text "D" at 6924.9,-414.91 h164.64
  text "A" at 7009.77,-414.91 h164.64
  text "R" at 7094.63,-414.91 h164.64
  text "Y" at 7172.42,-414.91 h164.64
  text "S" at 7278.5,-414.91 h164.64
  text "I" at 7342.15,-414.91 h164.64
  text "D" at 7377.51,-414.91 h164.64
  text "E" at 7462.38,-414.91 h164.64
  text "W" at 7568.46,-414.91 h164.64
  text "H" at 7695.75,-414.91 h164.64
  text "E" at 7780.62,-414.91 h164.64
  text "R" at 7851.34,-414.91 h164.64
  text "E" at 7929.13,-414.91 h164.64
  text "I" at 8035.21,-414.91 h164.64
  text "N" at 8070.57,-414.91 h164.64
  text "D" at 8162.51,-414.91 h164.64
  text "I" at 8247.37,-414.91 h164.64
  text "C" at 8282.73,-414.91 h164.64
  text "A" at 8360.52,-414.91 h164.64
  text "T" at 8445.39,-414.91 h164.64
  text "E" at 8516.11,-414.91 h164.64
  text "D" at 8586.83,-414.91 h164.64
  text "." at 8671.69,-414.91 h164.64
  text "M" at 5460.99,-598.78 h164.64
  text "A" at 5581.22,-598.78 h164.64
  text "R" at 5666.08,-598.78 h164.64
  text "K" at 5743.87,-598.78 h164.64
  text "I" at 5814.59,-598.78 h164.64
  text "N" at 5849.95,-598.78 h164.64
  text "G" at 5941.89,-598.78 h164.64
  text "T" at 6069.19,-598.78 h164.64
  text "O" at 6139.91,-598.78 h164.64
  text "B" at 6267.2,-598.78 h164.64
  text "E" at 6344.99,-598.78 h164.64
  text "I" at 6451.08,-598.78 h164.64
  text "N" at 6486.44,-598.78 h164.64
  text "S" at 6613.73,-598.78 h164.64
  text "I" at 6677.38,-598.78 h164.64
  text "L" at 6712.74,-598.78 h164.64
  text "K" at 6769.32,-598.78 h164.64
  text "S" at 6840.04,-598.78 h164.64
  text "C" at 6903.69,-598.78 h164.64
  text "R" at 6981.48,-598.78 h164.64
  text "E" at 7059.27,-598.78 h164.64
  text "E" at 7129.99,-598.78 h164.64
  text "N" at 7200.71,-598.78 h164.64
  text "." at 7292.65,-598.78 h164.64
20_ASSEMBLY_NOTES:
  lines w7.87: 768.56,-246.03 768.56,-320.83 843.36,-246.03 870.13,-246.03 ; 846.51,-320.83 921.31,-246.03 ; 925.25,-320.83 1000.06,-246.03 ; 1003.99,-320.83 1078.8,-246.03 ; 1082.73,-320.83 1157.54,-246.03 ; 1161.47,-320.83 1250.24,-232.44
  lines w8: 768.56,-320.83 1173.28,-320.83 1173.28,-415.32 1303.2,-285.4 1173.28,-155.48 1173.28,-246.03 768.56,-246.03
  text "BOARD TRAVEL" at 655.96,-509.42 h59.06
21_TITLE_BLOCK:
  drawing of 113 lines, arcs and shapes, not listed
  text "DWG. NO." at 6155.1,6215 h30
  text "REV:" at 7165.1,6215 h30
  text "6" at -4018.66,6170 h70
  text "5" at -1523,6170 h70
  text "4" at 966.34,6170 h70
  text "3" at 3473.01,6170 h70
  text "2" at 5972,6170 h70
  text "1" at 8477,6170 h70
  text ".PCB_DWG_NO" at 6370,6125 h50
  text ".PCB_REV" at 7180,6125 h50
  text "T" at -5038,6027.61 h76
  text "H" at -4994.66,6027.61 h76
  text "I" at -4944.64,6027.61 h76
  text "S" at -4924.64,6027.61 h76
  text "D" at -4859.62,6027.61 h76
  text "O" at -4809.61,6027.61 h76
  text "C" at -4754.6,6027.61 h76
  text "U" at -4704.59,6027.61 h76
  text "M" at -4654.57,6027.61 h76
  text "E" at -4596.23,6027.61 h76
  text "N" at -4549.55,6027.61 h76
  text "T" at -4501.2,6027.61 h76
  text "A" at -4437.85,6027.61 h76
  text "N" at -4391.17,6027.61 h76
  text "D" at -4341.16,6027.61 h76
  text "T" at -4272.81,6027.61 h76
  text "H" at -4229.47,6027.61 h76
  text "E" at -4179.46,6027.61 h76
  text "D" at -4114.44,6027.61 h76
  text "A" at -4064.43,6027.61 h76
  text "T" at -4017.75,6027.61 h76
  text "A" at -3976.07,6027.61 h76
  text "D" at -3909.39,6027.61 h76
  text "I" at -3859.38,6027.61 h76
  text "S" at -3841.04,6027.61 h76
  text "C" at -3794.36,6027.61 h76
  text "L" at -3744.35,6027.61 h76
  text "O" at -3706.01,6027.61 h76
  text "S" at -3650.99,6027.61 h76
  text "E" at -3604.31,6027.61 h76
  text "D" at -3557.64,6027.61 h76
  text "H" at -3489.29,6027.61 h76
  text "E" at -3439.27,6027.61 h76
  text "R" at -3392.6,6027.61 h76
  text "E" at -3344.25,6027.61 h76
  text "I" at -3297.57,6027.61 h76
  text "N" at -3277.57,6027.61 h76
  text "O" at -3209.22,6027.61 h76
  text "R" at -3154.2,6027.61 h76
  text "REVISIONS" at 7390,5995 h60
  text "H" at -5038,5947.59 h76
  text "E" at -4987.99,5947.59 h76
  text "R" at -4941.31,5947.59 h76
  text "E" at -4891.3,5947.59 h76
  text "W" at -4846.29,5947.59 h76
  text "I" at -4777.94,5947.59 h76
  text "T" at -4759.6,5947.59 h76
  text "H" at -4716.25,5947.59 h76
  text "I" at -4647.9,5947.59 h76
  text "S" at -4627.9,5947.59 h76
  text "T" at -4562.88,5947.59 h76
  text "H" at -4519.54,5947.59 h76
  text "E" at -4469.53,5947.59 h76
  text "P" at -4404.51,5947.59 h76
  text "R" at -4357.83,5947.59 h76
  text "O" at -4307.82,5947.59 h76
  text "P" at -4253.77,5947.59 h76
  text "E" at -4207.1,5947.59 h76
  text "R" at -4160.42,5947.59 h76
  text "T" at -4112.07,5947.59 h76
  text "Y" at -4068.73,5947.59 h76
  text "O" at -4003.71,5947.59 h76
  text "F" at -3950.37,5947.59 h76
  text "A" at -3887.02,5947.59 h76
  text "L" at -3840.34,5947.59 h76
  text "T" at -3803.66,5947.59 h76
  text "I" at -3760.32,5947.59 h76
  text "U" at -3740.31,5947.59 h76
  text "M" at -3690.3,5947.59 h76
  text "L" at -3613.62,5947.59 h76
  text "I" at -3575.27,5947.59 h76
  text "M" at -3555.27,5947.59 h76
  text "I" at -3498.59,5947.59 h76
  text "T" at -3478.58,5947.59 h76
  text "E" at -3435.24,5947.59 h76
  text "D" at -3388.56,5947.59 h76
  text "A" at -3320.21,5947.59 h76
  text "N" at -3273.53,5947.59 h76
  text "D" at -3223.52,5947.59 h76
  text "M" at -3153.5,5947.59 h76
  text "A" at -3095.15,5947.59 h76
  text "Y" at -3050.14,5947.59 h76
  text "ZONE" at 5805,5870 h60
  text "REV" at 6135,5870 h60
  text "DATE" at 8555,5870 h60
  text "B" at -5038,5867.57 h76
  text "E" at -4991.32,5867.57 h76
  text "F" at -4924.64,5867.57 h76
  text "R" at -4881.3,5867.57 h76
  text "E" at -4831.28,5867.57 h76
  text "E" at -4786.27,5867.57 h76
  text "L" at -4739.59,5867.57 h76
  text "Y" at -4701.25,5867.57 h76
  text "D" at -4634.57,5867.57 h76
  text "I" at -4584.56,5867.57 h76
  text "S" at -4566.22,5867.57 h76
  text "T" at -4519.54,5867.57 h76
  text "R" at -4476.89,5867.57 h76
  text "I" at -4428.54,5867.57 h76
  text "B" at -4408.54,5867.57 h76
  text "U" at -4361.86,5867.57 h76
  text "T" at -4311.85,5867.57 h76
  text "E" at -4268.5,5867.57 h76
  text "D" at -4221.82,5867.57 h76
  text "I" at -4153.47,5867.57 h76
  text "N" at -4133.47,5867.57 h76
  text "W" at -4066.79,5867.57 h76
  text "H" at -3998.44,5867.57 h76
  text "O" at -3950.09,5867.57 h76
  text "L" at -3895.08,5867.57 h76
  text "E" at -3856.73,5867.57 h76
  text "." at -3810.06,5867.57 h76
  text "N" at -3771.71,5867.57 h76
  text "O" at -3721.7,5867.57 h76
  text "R" at -3646.68,5867.57 h76
  text "I" at -3598.34,5867.57 h76
  text "G" at -3578.33,5867.57 h76
  text "H" at -3523.32,5867.57 h76
  text "T" at -3474.97,5867.57 h76
  text "S" at -3431.63,5867.57 h76
  text "A" at -3366.61,5867.57 h76
  text "R" at -3319.94,5867.57 h76
  text "E" at -3269.92,5867.57 h76
  text "DESCRIPTION" at 7150,5865 h60
  text "APPROVED" at 9060,5865 h60
  text "R" at -5038,5787.55 h76
  text "E" at -4987.99,5787.55 h76
  text "S" at -4941.31,5787.55 h76
  text "E" at -4894.63,5787.55 h76
  text "R" at -4847.95,5787.55 h76
  text "V" at -4797.94,5787.55 h76
  text "E" at -4751.26,5787.55 h76
  text "D" at -4704.59,5787.55 h76
  text "O" at -4636.24,5787.55 h76
  text "R" at -4581.22,5787.55 h76
  text "E" at -4511.2,5787.55 h76
  text "X" at -4464.53,5787.55 h76
  text "P" at -4419.52,5787.55 h76
  text "R" at -4372.84,5787.55 h76
  text "E" at -4322.82,5787.55 h76
  text "S" at -4276.15,5787.55 h76
  text "S" at -4229.47,5787.55 h76
  text "O" at -4164.45,5787.55 h76
  text "R" at -4109.44,5787.55 h76
  text "I" at -4041.09,5787.55 h76
  text "M" at -4021.08,5787.55 h76
  text "P" at -3962.74,5787.55 h76
  text "L" at -3916.06,5787.55 h76
  text "I" at -3879.38,5787.55 h76
  text "E" at -3859.38,5787.55 h76
  text "D" at -3812.7,5787.55 h76
  text "W" at -3746.02,5787.55 h76
  text "A" at -3677.67,5787.55 h76
  text "R" at -3630.99,5787.55 h76
  text "A" at -3580.98,5787.55 h76
  text "N" at -3534.3,5787.55 h76
  text "T" at -3485.95,5787.55 h76
  text "E" at -3442.61,5787.55 h76
  text "E" at -3395.93,5787.55 h76
  text "G" at -3334.68,5787.55 h76
  text "I" at -3279.67,5787.55 h76
  text "V" at -3259.66,5787.55 h76
  text "E" at -3212.98,5787.55 h76
  text "N" at -3166.3,5787.55 h76
  text "." at -3117.96,5787.55 h76
  text "A" at 6165,5735 h60
  text "ORIGINAL" at 7225,5735 h60
  text "D" at -5175,5027 h70
  text "D" at 9625,5027 h70
  text "C" at -5175,2647 h70
  text "C" at 9625,2647 h70
  text "B" at -5175,272 h70
  text "B" at 9625,272 h70
  text "DWG. NO." at 9665,-325.1 h30 r270
  text ".PCB_DWG_NO" at 9575,-540 h50 r270
  text "Altium Advanced Training: '.Pcb_File_Name_No_Path'" at -2585,-551.68 h100
  text "REV:" at 9665,-1335.1 h30 r270
  text ".PCB_REV" at 9575,-1350 h50 r270
  text "PART NO." at 3600,-1390 h45
  text ".PCB_PART_NUMBER" at 3915,-1390 h45
  text "UNLESS OTHERWISE SPECIFIED DIMENSIONS" at 3620,-1495 h45
  text "APPROVALS" at 5276,-1497.1 h45
  text "DATE" at 6136,-1497.1 h45
  text "2175 SALK AVENUE" at 8355,-1500 h45
  text "AND TOLERANCE ARE IN INCHES AND" at 3675,-1570 h45
  text "DESIGNER:" at 4956,-1577.1 h45
  text "SUITE 200" at 8355,-1590 h45
  text "APPLY TO THE FINISHED PART" at 3785,-1640 h45
  text ".PCB_DESIGNER" at 5276,-1657.1 h60
  text ".PCB_DESIGNER_APP_DATE" at 6006,-1657.1 h50
  text "CARLSBAD, CA 92008" at 8355,-1680.01 h45
  text "TOLERANCE ON:" at 4025,-1765 h45
  text "USA" at 8355,-1770 h45
  text "ENGINEER:" at 4956,-1777.1 h45
  text ".PCB_ENGINEER_APP_DATE" at 6006,-1847.1 h50
  text "2 DEC. PLACE" at 3620,-1855 h40
  text "3 DEC. PLACE" at 4075,-1855 h40
  text "ANGLES" at 4610,-1855 h40
  text ".PCB_ENGINEER" at 5276,-1857.1 h60
  text "TITLE:" at 6470,-1875 h45
  text "CHECKER:" at 4956,-1977.1 h45
  text ".PCB_2_DEC_TOL" at 3675,-2010 h60
  text ".PCB_3_DEC_TOL" at 4110,-2010 h60
  text ".PCB_ANG_TOL" at 4575,-2010 h60
  text ".PCB_TITLE_1" at 6645,-2025 h100
  text ".PCB_CHECKER_APP_DATE" at 6004,-2051.1 h50
  text ".PCB_CHECKER" at 5276,-2057.1 h60
  text "THIRD ANGLE PROJECTION" at 2847,-2070.1 h40
  text "A" at -5175,-2098 h70
  text "A" at 9625,-2098 h70
  text "MATERIAL:" at 3620,-2153.1 h45
  text "REFERENCE DOCUMENTS" at 5336,-2197.1 h45
  text "BOM:" at 4956,-2297.1 h45
  text ".PCB_TITLE_2" at 6640,-2320 h100
  text "SEE NOTES" at 3986,-2352.1 h60
  text ".DOC_NO_BOM" at 5276,-2387.1 h60
  text "ASSY DWG:" at 4956,-2487.1 h45
  text ".DOC_NO_ASSY_DWG" at 5276,-2577.1 h60
  text "SIZE:" at 6530,-2610 h45
  text "CAGE CODE:" at 6775,-2610 h45
  text "DWG NO:" at 7775,-2610 h45
  text "REV:" at 9335,-2610 h45
  text "FAB DWG:" at 4956,-2677.1 h45
  text ".PCB_DWG_NO" at 8085,-2750 h100
  text "B" at 6570,-2755 h100
  text ".PCB_REV" at 9365,-2755 h100
  text ".DOC_NO_FAB_DWG" at 5276,-2762.1 h60
  text ".CAGE_CODE" at 6945,-2765 h100
  text "SCHEMATIC:" at 4956,-2867.1 h45
  text "PRINT DATE:" at 3612,-2868.1 h45
  text "SCALE:" at 6470,-2925 h45
  text "FILE NAME:" at 7075,-2925.1 h45
  text "SHEET:" at 8815,-2925.1 h45
  text ".PRINT_DATE" at 4020,-2937.1 h60
  text ".Printout_Name" at -4994,-2947 h150
  text ".DOC_NO_SCH_DWG" at 5276,-2957.1 h60
  text ".PCB_FILE_NAME_NO_PATH" at 7418,-2970.1 h60
  text ".PCB_SCALE" at 6740,-2975 h60
  text "OF" at 9265,-2975.1 h45
  text "DOC-104 REV A" at -5050,-3042.1 h20
  text "6" at -4018.66,-3130 h70
  text "5" at -1523,-3130 h70
  text "4" at 966.34,-3130 h70
  text "3" at 3473.01,-3130 h70
  text "2" at 5972,-3130 h70
  text "1" at 8477,-3130 h70
22_TITLE_BLOCK_MIRRORED:
  drawing of 113 lines, arcs and shapes, not listed
  text "REV:" at -2665.1,6215 h30
  text "DWG. NO." at -1655.1,6215 h30
  text "1" at -3977,6170 h70
  text "2" at -1472,6170 h70
  text "3" at 1026.99,6170 h70
  text "4" at 3533.66,6170 h70
  text "5" at 6023,6170 h70
  text "6" at 8518.66,6170 h70
  text ".PCB_REV" at -2680,6125 h50
  text ".PCB_DWG_NO" at -1870,6125 h50
  text "R" at 7654.2,6027.61 h76
  text "O" at 7709.22,6027.61 h76
  text "N" at 7777.57,6027.61 h76
  text "I" at 7797.57,6027.61 h76
  text "E" at 7844.25,6027.61 h76
  text "R" at 7892.59,6027.61 h76
  text "E" at 7939.27,6027.61 h76
  text "H" at 7989.29,6027.61 h76
  text "D" at 8057.64,6027.61 h76
  text "E" at 8104.31,6027.61 h76
  text "S" at 8150.99,6027.61 h76
  text "O" at 8206.01,6027.61 h76
  text "L" at 8244.35,6027.61 h76
  text "C" at 8294.36,6027.61 h76
  text "S" at 8341.04,6027.61 h76
  text "I" at 8359.38,6027.61 h76
  text "D" at 8409.39,6027.61 h76
  text "A" at 8476.07,6027.61 h76
  text "T" at 8517.75,6027.61 h76
  text "A" at 8564.43,6027.61 h76
  text "D" at 8614.44,6027.61 h76
  text "E" at 8679.45,6027.61 h76
  text "H" at 8729.47,6027.61 h76
  text "T" at 8772.81,6027.61 h76
  text "D" at 8841.16,6027.61 h76
  text "N" at 8891.17,6027.61 h76
  text "A" at 8937.85,6027.61 h76
  text "T" at 9001.2,6027.61 h76
  text "N" at 9049.55,6027.61 h76
  text "E" at 9096.22,6027.61 h76
  text "M" at 9154.57,6027.61 h76
  text "U" at 9204.58,6027.61 h76
  text "C" at 9254.6,6027.61 h76
  text "O" at 9309.61,6027.61 h76
  text "D" at 9359.62,6027.61 h76
  text "S" at 9424.64,6027.61 h76
  text "I" at 9444.64,6027.61 h76
  text "H" at 9494.66,6027.61 h76
  text "T" at 9538,6027.61 h76
  text "REVISIONS" at -2890,5995 h60
  text "Y" at 7550.14,5947.59 h76
  text "A" at 7595.15,5947.59 h76
  text "M" at 7653.5,5947.59 h76
  text "D" at 7723.52,5947.59 h76
  text "N" at 7773.53,5947.59 h76
  text "A" at 7820.21,5947.59 h76
  text "D" at 7888.56,5947.59 h76
  text "E" at 7935.24,5947.59 h76
  text "T" at 7978.58,5947.59 h76
  text "I" at 7998.59,5947.59 h76
  text "M" at 8055.27,5947.59 h76
  text "I" at 8075.27,5947.59 h76
  text "L" at 8113.61,5947.59 h76
  text "M" at 8190.3,5947.59 h76
  text "U" at 8240.31,5947.59 h76
  text "I" at 8260.32,5947.59 h76
  text "T" at 8303.66,5947.59 h76
  text "L" at 8340.34,5947.59 h76
  text "A" at 8387.02,5947.59 h76
  text "F" at 8450.36,5947.59 h76
  text "O" at 8503.71,5947.59 h76
  text "Y" at 8568.73,5947.59 h76
  text "T" at 8612.07,5947.59 h76
  text "R" at 8660.42,5947.59 h76
  text "E" at 8707.09,5947.59 h76
  text "P" at 8753.77,5947.59 h76
  text "O" at 8807.82,5947.59 h76
  text "R" at 8857.83,5947.59 h76
  text "P" at 8904.51,5947.59 h76
  text "E" at 8969.53,5947.59 h76
  text "H" at 9019.54,5947.59 h76
  text "T" at 9062.88,5947.59 h76
  text "S" at 9127.9,5947.59 h76
  text "I" at 9147.9,5947.59 h76
  text "H" at 9216.25,5947.59 h76
  text "T" at 9259.6,5947.59 h76
  text "I" at 9277.94,5947.59 h76
  text "W" at 9346.29,5947.59 h76
  text "E" at 9391.3,5947.59 h76
  text "R" at 9441.31,5947.59 h76
  text "E" at 9487.99,5947.59 h76
  text "H" at 9538,5947.59 h76
  text "DATE" at -4055,5870 h60
  text "REV" at -1635,5870 h60
  text "ZONE" at -1305,5870 h60
  text "E" at 7769.92,5867.57 h76
  text "R" at 7819.93,5867.57 h76
  text "A" at 7866.61,5867.57 h76
  text "S" at 7931.63,5867.57 h76
  text "T" at 7974.97,5867.57 h76
  text "H" at 8023.32,5867.57 h76
  text "G" at 8078.33,5867.57 h76
  text "I" at 8098.34,5867.57 h76
  text "R" at 8146.68,5867.57 h76
  text "O" at 8221.7,5867.57 h76
  text "N" at 8271.71,5867.57 h76
  text "." at 8310.06,5867.57 h76
  text "E" at 8356.73,5867.57 h76
  text "L" at 8395.08,5867.57 h76
  text "O" at 8450.09,5867.57 h76
  text "H" at 8498.43,5867.57 h76
  text "W" at 8566.78,5867.57 h76
  text "N" at 8633.47,5867.57 h76
  text "I" at 8653.47,5867.57 h76
  text "D" at 8721.82,5867.57 h76
  text "E" at 8768.5,5867.57 h76
  text "T" at 8811.85,5867.57 h76
  text "U" at 8861.86,5867.57 h76
  text "B" at 8908.54,5867.57 h76
  text "I" at 8928.54,5867.57 h76
  text "R" at 8976.89,5867.57 h76
  text "T" at 9019.54,5867.57 h76
  text "S" at 9066.22,5867.57 h76
  text "I" at 9084.55,5867.57 h76
  text "D" at 9134.57,5867.57 h76
  text "Y" at 9201.25,5867.57 h76
  text "L" at 9239.59,5867.57 h76
  text "E" at 9286.27,5867.57 h76
  text "E" at 9331.28,5867.57 h76
  text "R" at 9381.29,5867.57 h76
  text "F" at 9424.64,5867.57 h76
  text "E" at 9491.32,5867.57 h76
  text "B" at 9538,5867.57 h76
  text "APPROVED" at -4560,5865 h60
  text "DESCRIPTION" at -2650,5865 h60
  text "." at 7617.96,5787.55 h76
  text "N" at 7666.3,5787.55 h76
  text "E" at 7712.98,5787.55 h76
  text "V" at 7759.66,5787.55 h76
  text "I" at 7779.66,5787.55 h76
  text "G" at 7834.68,5787.55 h76
  text "E" at 7895.93,5787.55 h76
  text "E" at 7942.61,5787.55 h76
  text "T" at 7985.95,5787.55 h76
  text "N" at 8034.3,5787.55 h76
  text "A" at 8080.97,5787.55 h76
  text "R" at 8130.99,5787.55 h76
  text "A" at 8177.66,5787.55 h76
  text "W" at 8246.01,5787.55 h76
  text "D" at 8312.7,5787.55 h76
  text "E" at 8359.38,5787.55 h76
  text "I" at 8379.38,5787.55 h76
  text "L" at 8416.06,5787.55 h76
  text "P" at 8462.74,5787.55 h76
  text "M" at 8521.08,5787.55 h76
  text "I" at 8541.09,5787.55 h76
  text "R" at 8609.44,5787.55 h76
  text "O" at 8664.45,5787.55 h76
  text "S" at 8729.47,5787.55 h76
  text "S" at 8776.15,5787.55 h76
  text "E" at 8822.82,5787.55 h76
  text "R" at 8872.84,5787.55 h76
  text "P" at 8919.51,5787.55 h76
  text "X" at 8964.53,5787.55 h76
  text "E" at 9011.2,5787.55 h76
  text "R" at 9081.22,5787.55 h76
  text "O" at 9136.23,5787.55 h76
  text "D" at 9204.58,5787.55 h76
  text "E" at 9251.26,5787.55 h76
  text "V" at 9297.94,5787.55 h76
  text "R" at 9347.95,5787.55 h76
  text "E" at 9394.63,5787.55 h76
  text "S" at 9441.31,5787.55 h76
  text "E" at 9487.99,5787.55 h76
  text "R" at 9538,5787.55 h76
  text "ORIGINAL" at -2725,5735 h60
  text "A" at -1665,5735 h60
  text "D" at -5125,5027 h70
  text "D" at 9675,5027 h70
  text "C" at -5125,2647 h70
  text "C" at 9675,2647 h70
  text "B" at -5125,272 h70
  text "B" at 9675,272 h70
  text "DWG. NO." at -5165,-325.1 h30 r90
  text ".PCB_DWG_NO" at -5075,-540 h50 r90
  text "REV:" at -5165,-1335.1 h30 r90
  text ".PCB_REV" at -5075,-1350 h50 r90
  text ".PCB_PART_NUMBER" at 585,-1390 h45
  text "PART NO." at 900,-1390 h45
  text "UNLESS OTHERWISE SPECIFIED DIMENSIONS" at 880,-1495 h45
  text "DATE" at -1636,-1497.1 h45
  text "APPROVALS" at -776,-1497.1 h45
  text "2175 SALK AVENUE" at -3855,-1500 h45
  text "AND TOLERANCE ARE IN INCHES AND" at 825,-1570 h45
  text "DESIGNER:" at -456,-1577.1 h45
  text "SUITE 200" at -3855,-1590 h45
  text "APPLY TO THE FINISHED PART" at 715,-1640 h45
  text ".PCB_DESIGNER_APP_DATE" at -1508,-1657.1 h50
  text ".PCB_DESIGNER" at -778,-1657.1 h60
  text "CARLSBAD, CA 92008" at -3855,-1680.01 h45
  text "TOLERANCE ON:" at 475,-1765 h45
  text "USA" at -3855,-1770 h45
  text "ENGINEER:" at -456,-1777.1 h45
  text ".PCB_ENGINEER_APP_DATE" at -1508,-1847.1 h50
  text "ANGLES" at -110,-1855 h40
  text "3 DEC. PLACE" at 425,-1855 h40
  text "2 DEC. PLACE" at 880,-1855 h40
  text ".PCB_ENGINEER" at -778,-1857.1 h60
  text "TITLE:" at -1970,-1875 h45
  text "CHECKER:" at -456,-1977.1 h45
  text ".PCB_ANG_TOL" at -75,-2010 h60
  text ".PCB_3_DEC_TOL" at 390,-2010 h60
  text ".PCB_2_DEC_TOL" at 825,-2010 h60
  text ".PCB_TITLE_1" at -2145,-2025 h100
  text ".PCB_CHECKER_APP_DATE" at -1506,-2051.1 h50
  text ".PCB_CHECKER" at -778,-2057.1 h60
  text "THIRD ANGLE PROJECTION" at 1653,-2070.1 h40
  text "A" at -5125,-2098 h70
  text "A" at 9675,-2098 h70
  text "MATERIAL:" at 880,-2153.1 h45
  text "REFERENCE DOCUMENTS" at -836,-2197.1 h45
  text "BOM:" at -456,-2297.1 h45
  text ".PCB_TITLE_2" at -2140,-2320 h100
  text "SEE NOTES" at 514,-2352.1 h60
  text ".DOC_NO_BOM" at -776,-2387.1 h60
  text "ASSY DWG:" at -456,-2487.1 h45
  text ".DOC_NO_ASSY_DWG" at -776,-2577.1 h60
  text "REV:" at -4835,-2610 h45
  text "DWG NO:" at -3275,-2610 h45
  text "CAGE CODE:" at -2275,-2610 h45
  text "SIZE:" at -2030,-2610 h45
  text "FAB DWG:" at -456,-2677.1 h45
  text ".PCB_DWG_NO" at -3585,-2750 h100
  text ".PCB_REV" at -4865,-2755 h100
  text "B" at -2070,-2755 h100
  text ".DOC_NO_FAB_DWG" at -776,-2762.1 h60
  text ".CAGE_CODE" at -2445,-2765 h100
  text "SCHEMATIC:" at -456,-2867.1 h45
  text "PRINT DATE:" at 888,-2868.1 h45
  text "SHEET:" at -4315,-2925.1 h45
  text "FILE NAME:" at -2575,-2925.1 h45
  text "SCALE:" at -1970,-2925 h45
  text ".PRINT_DATE" at 480,-2937.1 h60
  text ".Printout_Name" at 9494,-2947 h150
  text ".DOC_NO_SCH_DWG" at -776,-2957.1 h60
  text ".PCB_FILE_NAME_NO_PATH" at -2918,-2970.1 h60
  text "OF" at -4765,-2975.1 h45
  text ".PCB_SCALE" at -2240,-2975 h60
  text "DOC-104 REV A" at 9550,-3042.1 h20
  text "1" at -3977,-3130 h70
  text "2" at -1472,-3130 h70
  text "3" at 1026.99,-3130 h70
  text "4" at 3533.66,-3130 h70
  text "5" at 6023,-3130 h70
  text "6" at 8518.66,-3130 h70